# Altium PCB qinxie.PcbDoc
Units mm, origin at the board's own origin, x right, y up, seen from the top; angles counter-clockwise.
Board outline 15 x 11 mm, 2 copper layers (Top Layer, Bottom Layer); 2 components, 2 nets, 6 pads, 37 vias.
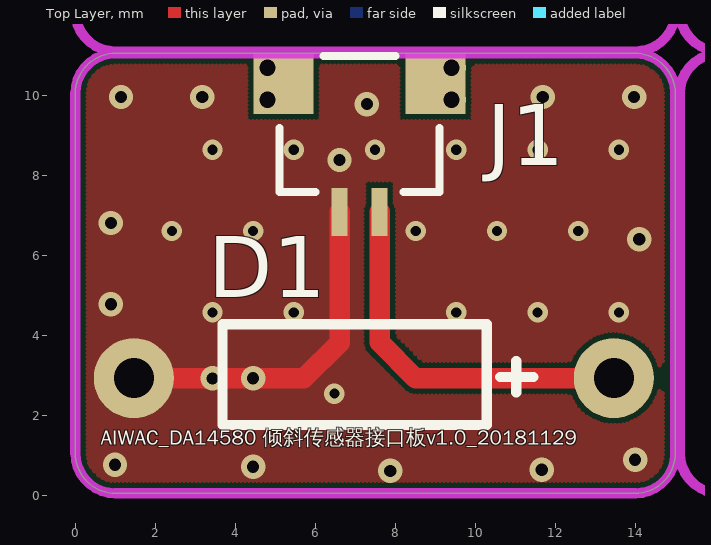
[diagram p0: Top Layer view]
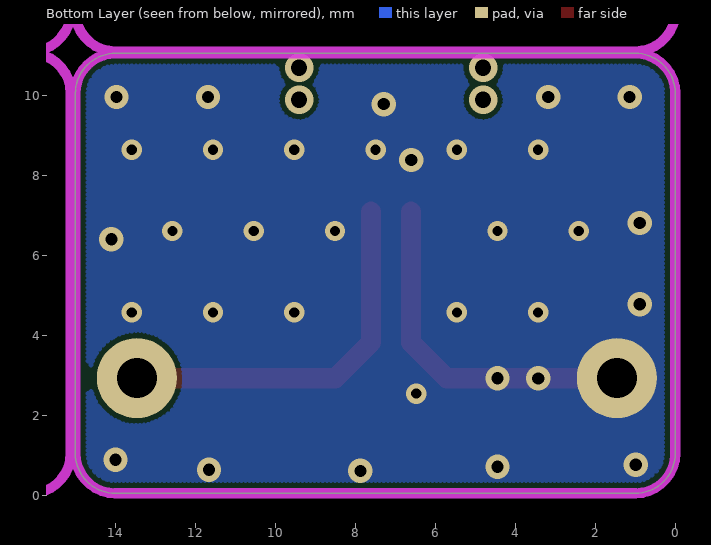
[diagram p1: Bottom Layer view, seen from below]

## Layer stack, top to bottom
Top Solder: solder mask 0.0102, Solder Resist, Dk 3.5
Top Layer: signal copper 0.0356
Dielectric 1: dielectric 0.32, FR-4, Dk 4.8
Bottom Layer: signal copper 0.0356
Bottom Solder: solder mask 0.0102, Solder Resist, Dk 3.5

## Board outline
1,0.048 cw(c1,1.048) 0,1.048 0,10.048 cw(c1,10.048) 1,11.048 13.984,11.048 cw(c13.992,10.04) 15,10.048 15,1.048 cw(c14,1.048) 14,0.048

## Design rules (kind name [scope] priority, off if disabled: settings)
Clearance [All] p1: gap=0.127
PolygonConnect [All] p1: connectstyle=Direct reliefconductorwidth=0.254 reliefentries=4 polygonreliefangle="90 Angle" airgapwidth=0.254
RoutingVias [All] p1: holewidth=0.711 width=1.27 viastyle="Through Hole" minholewidth=0.711 minwidth=1.27 maxholewidth=0.711 maxwidth=1.27
SolderMaskExpansion [All] p1: expansion=0.102
Width [All] p1: maxlimit=0.508 minlimit=0.305 preferedwidth=0.305
30 further rules are at their usual default settings.

## Components (designator, comment, footprint, x,y, rotation, side; value= is the part's Value field where it differs from the comment)
D1 "倾斜传感器" 倾斜传感器 13.462,2.927 r180 top locked
J1 "CON2" J-SH1.0-T-1-LT-2A 6.607,7.087 r0 top locked

## Footprints (in the part's own frame and the unit in brackets; to place one, negate y for a bottom-side part, rotate by r counter-clockwise, add the part's x,y. Pads: shape width x height; smd on the part's side, far side on the other; paste and mask are expansions set on the pad)
J-SH1.0-T-1-LT-2A [mm]
  rect 0.4x1.2 smd: 1(0,0) 2(1,0)
  rect 1.5x1.5 smd: 3(-1.4,3.2) 3(2.4,3.2)
  silkscreen extent -1.5,0.5 2.5,3.9
倾斜传感器 [mm]
  round 2 hole 1: 1(0,0) 2(12,0)
  silkscreen extent 2.01,-1.35 9.78,1.17

## Part data
D1: library part R
J1: "Connector"

## Via types
v1: diameter 0.508, hole 0.254, Top Layer to Bottom Layer, tented both sides, 17 vias
v2: diameter 0.61, hole 0.305, Top Layer to Bottom Layer, tented both sides, 16 vias
v3: diameter 0.711, hole 0.406, Top Layer to Bottom Layer, tented both sides, 4 vias

## Nets (pads, with @x,y where several pads share a name; then routed paths per layer and width w, separated by ;. In a path a pad name is that pad's centre, name@x,y a point inside that pad or via, vN(x,y) a via of type N, cw(c..) or ccw(c..) an arc to the next point about the centre after c; other vN are vias at no path point)
GND: D1.2 J1.1 | length 9.8
  Top Layer w0.508: D1.2 v2(4.445,2.927) v2@4.439,2.921 ; v2(3.429,2.921) v2@4.439,2.921 ; J1.1 6.607,3.813 5.715,2.921 v2@4.439,2.921
  other v1: 6.477,2.54 3.429,4.572 5.461,4.572 9.525,4.572 11.557,4.572 13.589,4.572 2.413,6.604 4.445,6.604 8.509,6.604 10.541,6.604 12.573,6.604 3.429,8.636 5.461,8.636 7.493,8.636 9.525,8.636 11.557,8.636 13.589,8.636
  other v2: 7.874,0.61 11.659,0.635 4.445,0.711 0.991,0.762 13.995,0.889 0.889,4.775 14.097,6.401 0.889,6.807 6.604,8.382 7.29,9.779 1.143,9.957 3.175,9.957 11.684,9.957 13.97,9.957
NetD1_1: D1.1 J1.2 | length 9.5
  Top Layer w0.508: J1.2 7.607,3.823 8.503,2.927 D1.1
pads on no net: J1.3
copper on no net:
  other v3: 4.807,9.887 9.407,9.887 4.807,10.687 9.407,10.687

## Polygon pours and split planes (outlines as drawn)
GND on Top Layer "AutoNaming" (hatched 90Degree grid 0.102 track 0.127, remove dead copper, pour order 4): 1,11.048 13.984,11.048 14.225,11.048 14.986,10.287 15,10.273 15,1.048 15,0.776 14.224,0 14.176,0.048 1,0.048 0.714,0.048 0,0.762 0,10.287 0,10.541 0.381,10.922 0.507,11.048 1,11.048
GND on Bottom Layer "AutoNaming" (hatched 90Degree grid 0.102 track 0.127, remove dead copper, pour order 6): 1,11.048 13.984,11.048 14.225,11.048 14.986,10.287 15,10.273 15,1.143 15,0.776 14.351,0.127 14.224,0 0.762,0 0.635,0 0,0.635 0,10.287 0,10.414 0.508,10.922 0.634,11.048 1,11.048

## Keep-outs
Keep-Out Layer:
  lines w0.254: -0.127,-2.159 -0.127,-1.651 ; 1.397,-2.413 -0.127,-1.905 ; 1.397,-1.397 -0.127,-1.905 ; 37.04,-1.905 -0.127,-1.905 ; 52.833,-1.905 90,-1.905 ; 88.476,-2.413 90,-1.905 ; 88.476,-1.397 90,-1.905 ; 90,-2.159 90,-1.651 ; 91.561,86.947 92.068,88.472 ; 91.576,1.652 92.084,0.129 ; 91.814,88.472 92.322,88.472 ; 91.83,0.129 92.338,0.129 ; 92.075,52.324 92.068,88.472 ; 92.078,36.276 92.084,0.129 ; 92.577,86.948 92.068,88.472 ; 92.592,1.653 92.084,0.129 ; 0,1.048 ccw(c1,1.048) 1,0.048 14,0.048 ccw(c14,1.048) 15,1.048 15,10.048 ccw(c13.992,10.04) 13.984,11.048 1,11.048 ccw(c1,10.048) 0,10.048 0,1.048 ; 0,12.097 ccw(c1,12.097) 1,11.097 14,11.097 ccw(c14,12.097) 15,12.097 15,21.097 ccw(c13.992,21.089) 13.984,22.097 1,22.097 ccw(c1,21.097) 0,21.097 0,12.097 ; 0,23.146 ccw(c1,23.146) 1,22.146 14,22.146 ccw(c14,23.146) 15,23.146 15,32.146 ccw(c13.992,32.138) 13.984,33.146 1,33.146 ccw(c1,32.146) 0,32.146 0,23.146 ; 0,34.195 ccw(c1,34.195) 1,33.195 14,33.195 ccw(c14,34.195) 15,34.195 15,43.195 ccw(c13.992,43.187) 13.984,44.195 1,44.195 ccw(c1,43.195) 0,43.195 0,34.195 ; 0,45.244 ccw(c1,45.244) 1,44.244 14,44.244 ccw(c14,45.244) 15,45.244 15,54.244 ccw(c13.992,54.236) 13.984,55.244 1,55.244 ccw(c1,54.244) 0,54.244 0,45.244 ; 0,56.293 ccw(c1,56.293) 1,55.293 14,55.293 ccw(c14,56.293) 15,56.293 15,65.293 ccw(c13.992,65.285) 13.984,66.293 1,66.293 ccw(c1,65.293) 0,65.293 0,56.293 ; 0,67.342 ccw(c1,67.342) 1,66.342 14,66.342 ccw(c14,67.342) 15,67.342 15,76.342 ccw(c13.992,76.334) 13.984,77.342 1,77.342 ccw(c1,76.342) 0,76.342 0,67.342 ; 0,78.391 ccw(c1,78.391) 1,77.391 14,77.391 ccw(c14,78.391) 15,78.391 15,87.391 ccw(c13.992,87.383) 13.984,88.391 1,88.391 ccw(c1,87.391) 0,87.391 0,78.391 ; 15.113,1.048 ccw(c16.113,1.048) 16.113,0.048 29.113,0.048 ccw(c29.113,1.048) 30.113,1.048 30.113,10.048 ccw(c29.105,10.04) 29.097,11.048 16.113,11.048 ccw(c16.113,10.048) 15.113,10.048 15.113,1.048 ; 15.113,12.097 ccw(c16.113,12.097) 16.113,11.097 29.113,11.097 ccw(c29.113,12.097) 30.113,12.097 30.113,21.097 ccw(c29.105,21.089) 29.097,22.097 16.113,22.097 ccw(c16.113,21.097) 15.113,21.097 15.113,12.097 ; 15.113,23.146 ccw(c16.113,23.146) 16.113,22.146 29.113,22.146 ccw(c29.113,23.146) 30.113,23.146 30.113,32.146 ccw(c29.105,32.138) 29.097,33.146 16.113,33.146 ccw(c16.113,32.146) 15.113,32.146 15.113,23.146 ; 15.113,34.195 ccw(c16.113,34.195) 16.113,33.195 29.113,33.195 ccw(c29.113,34.195) 30.113,34.195 30.113,43.195 ccw(c29.105,43.187) 29.097,44.195 16.113,44.195 ccw(c16.113,43.195) 15.113,43.195 15.113,34.195 ; 15.113,45.244 ccw(c16.113,45.244) 16.113,44.244 29.113,44.244 ccw(c29.113,45.244) 30.113,45.244 30.113,54.244 ccw(c29.105,54.236) 29.097,55.244 16.113,55.244 ccw(c16.113,54.244) 15.113,54.244 15.113,45.244 ; 15.113,56.293 ccw(c16.113,56.293) 16.113,55.293 29.113,55.293 ccw(c29.113,56.293) 30.113,56.293 30.113,65.293 ccw(c29.105,65.285) 29.097,66.293 16.113,66.293 ccw(c16.113,65.293) 15.113,65.293 15.113,56.293 ; 15.113,67.342 ccw(c16.113,67.342) 16.113,66.342 29.113,66.342 ccw(c29.113,67.342) 30.113,67.342 30.113,76.342 ccw(c29.105,76.334) 29.097,77.342 16.113,77.342 ccw(c16.113,76.342) 15.113,76.342 15.113,67.342 ; 15.113,78.391 ccw(c16.113,78.391) 16.113,77.391 29.113,77.391 ccw(c29.113,78.391) 30.113,78.391 30.113,87.391 ccw(c29.105,87.383) 29.097,88.391 16.113,88.391 ccw(c16.113,87.391) 15.113,87.391 15.113,78.391 ; 30.226,1.048 ccw(c31.226,1.048) 31.226,0.048 44.226,0.048 ccw(c44.226,1.048) 45.226,1.048 45.226,10.048 ccw(c44.218,10.04) 44.21,11.048 31.226,11.048 ccw(c31.226,10.048) 30.226,10.048 30.226,1.048 ; 30.226,12.097 ccw(c31.226,12.097) 31.226,11.097 44.226,11.097 ccw(c44.226,12.097) 45.226,12.097 45.226,21.097 ccw(c44.218,21.089) 44.21,22.097 31.226,22.097 ccw(c31.226,21.097) 30.226,21.097 30.226,12.097 ; 30.226,23.146 ccw(c31.226,23.146) 31.226,22.146 44.226,22.146 ccw(c44.226,23.146) 45.226,23.146 45.226,32.146 ccw(c44.218,32.138) 44.21,33.146 31.226,33.146 ccw(c31.226,32.146) 30.226,32.146 30.226,23.146 ; 30.226,34.195 ccw(c31.226,34.195) 31.226,33.195 44.226,33.195 ccw(c44.226,34.195) 45.226,34.195 45.226,43.195 ccw(c44.218,43.187) 44.21,44.195 31.226,44.195 ccw(c31.226,43.195) 30.226,43.195 30.226,34.195 ; 30.226,45.244 ccw(c31.226,45.244) 31.226,44.244 44.226,44.244 ccw(c44.226,45.244) 45.226,45.244 45.226,54.244 ccw(c44.218,54.236) 44.21,55.244 31.226,55.244 ccw(c31.226,54.244) 30.226,54.244 30.226,45.244 ; 30.226,56.293 ccw(c31.226,56.293) 31.226,55.293 44.226,55.293 ccw(c44.226,56.293) 45.226,56.293 45.226,65.293 ccw(c44.218,65.285) 44.21,66.293 31.226,66.293 ccw(c31.226,65.293) 30.226,65.293 30.226,56.293 ; 30.226,67.342 ccw(c31.226,67.342) 31.226,66.342 44.226,66.342 ccw(c44.226,67.342) 45.226,67.342 45.226,76.342 ccw(c44.218,76.334) 44.21,77.342 31.226,77.342 ccw(c31.226,76.342) 30.226,76.342 30.226,67.342 ; 30.226,78.391 ccw(c31.226,78.391) 31.226,77.391 44.226,77.391 ccw(c44.226,78.391) 45.226,78.391 45.226,87.391 ccw(c44.218,87.383) 44.21,88.391 31.226,88.391 ccw(c31.226,87.391) 30.226,87.391 30.226,78.391 ; 45.212,1.175 ccw(c46.212,1.175) 46.212,0.175 59.212,0.175 ccw(c59.212,1.175) 60.212,1.175 60.212,10.175 ccw(c59.204,10.167) 59.196,11.175 46.212,11.175 ccw(c46.212,10.175) 45.212,10.175 45.212,1.175 ; 45.212,12.224 ccw(c46.212,12.224) 46.212,11.224 59.212,11.224 ccw(c59.212,12.224) 60.212,12.224 60.212,21.224 ccw(c59.204,21.216) 59.196,22.224 46.212,22.224 ccw(c46.212,21.224) 45.212,21.224 45.212,12.224 ; 45.212,23.273 ccw(c46.212,23.273) 46.212,22.273 59.212,22.273 ccw(c59.212,23.273) 60.212,23.273 60.212,32.273 ccw(c59.204,32.265) 59.196,33.273 46.212,33.273 ccw(c46.212,32.273) 45.212,32.273 45.212,23.273 ; 45.212,34.322 ccw(c46.212,34.322) 46.212,33.322 59.212,33.322 ccw(c59.212,34.322) 60.212,34.322 60.212,43.322 ccw(c59.204,43.314) 59.196,44.322 46.212,44.322 ccw(c46.212,43.322) 45.212,43.322 45.212,34.322 ; 45.212,45.371 ccw(c46.212,45.371) 46.212,44.371 59.212,44.371 ccw(c59.212,45.371) 60.212,45.371 60.212,54.371 ccw(c59.204,54.363) 59.196,55.371 46.212,55.371 ccw(c46.212,54.371) 45.212,54.371 45.212,45.371 ; 45.212,56.42 ccw(c46.212,56.42) 46.212,55.42 59.212,55.42 ccw(c59.212,56.42) 60.212,56.42 60.212,65.42 ccw(c59.204,65.412) 59.196,66.42 46.212,66.42 ccw(c46.212,65.42) 45.212,65.42 45.212,56.42 ; 45.212,67.469 ccw(c46.212,67.469) 46.212,66.469 59.212,66.469 ccw(c59.212,67.469) 60.212,67.469 60.212,76.469 ccw(c59.204,76.461) 59.196,77.469 46.212,77.469 ccw(c46.212,76.469) 45.212,76.469 45.212,67.469 ; 45.212,78.518 ccw(c46.212,78.518) 46.212,77.518 59.212,77.518 ccw(c59.212,78.518) 60.212,78.518 60.212,87.518 ccw(c59.204,87.51) 59.196,88.518 46.212,88.518 ccw(c46.212,87.518) 45.212,87.518 45.212,78.518 ; 60.325,1.175 ccw(c61.325,1.175) 61.325,0.175 74.325,0.175 ccw(c74.325,1.175) 75.325,1.175 75.325,10.175 ccw(c74.317,10.167) 74.309,11.175 61.325,11.175 ccw(c61.325,10.175) 60.325,10.175 60.325,1.175 ; 60.325,12.224 ccw(c61.325,12.224) 61.325,11.224 74.325,11.224 ccw(c74.325,12.224) 75.325,12.224 75.325,21.224 ccw(c74.317,21.216) 74.309,22.224 61.325,22.224 ccw(c61.325,21.224) 60.325,21.224 60.325,12.224 ; 60.325,23.273 ccw(c61.325,23.273) 61.325,22.273 74.325,22.273 ccw(c74.325,23.273) 75.325,23.273 75.325,32.273 ccw(c74.317,32.265) 74.309,33.273 61.325,33.273 ccw(c61.325,32.273) 60.325,32.273 60.325,23.273 ; 60.325,34.322 ccw(c61.325,34.322) 61.325,33.322 74.325,33.322 ccw(c74.325,34.322) 75.325,34.322 75.325,43.322 ccw(c74.317,43.314) 74.309,44.322 61.325,44.322 ccw(c61.325,43.322) 60.325,43.322 60.325,34.322 ; 60.325,45.371 ccw(c61.325,45.371) 61.325,44.371 74.325,44.371 ccw(c74.325,45.371) 75.325,45.371 75.325,54.371 ccw(c74.317,54.363) 74.309,55.371 61.325,55.371 ccw(c61.325,54.371) 60.325,54.371 60.325,45.371 ; 60.325,56.42 ccw(c61.325,56.42) 61.325,55.42 74.325,55.42 ccw(c74.325,56.42) 75.325,56.42 75.325,65.42 ccw(c74.317,65.412) 74.309,66.42 61.325,66.42 ccw(c61.325,65.42) 60.325,65.42 60.325,56.42 ; 60.325,67.469 ccw(c61.325,67.469) 61.325,66.469 74.325,66.469 ccw(c74.325,67.469) 75.325,67.469 75.325,76.469 ccw(c74.317,76.461) 74.309,77.469 61.325,77.469 ccw(c61.325,76.469) 60.325,76.469 60.325,67.469 ; 60.325,78.518 ccw(c61.325,78.518) 61.325,77.518 74.325,77.518 ccw(c74.325,78.518) 75.325,78.518 75.325,87.518 ccw(c74.317,87.51) 74.309,88.518 61.325,88.518 ccw(c61.325,87.518) 60.325,87.518 60.325,78.518 ; 75.438,1.175 ccw(c76.438,1.175) 76.438,0.175 89.438,0.175 ccw(c89.438,1.175) 90.438,1.175 90.438,10.175 ccw(c89.43,10.167) 89.422,11.175 76.438,11.175 ccw(c76.438,10.175) 75.438,10.175 75.438,1.175 ; 75.438,12.224 ccw(c76.438,12.224) 76.438,11.224 89.438,11.224 ccw(c89.438,12.224) 90.438,12.224 90.438,21.224 ccw(c89.43,21.216) 89.422,22.224 76.438,22.224 ccw(c76.438,21.224) 75.438,21.224 75.438,12.224 ; 75.438,23.273 ccw(c76.438,23.273) 76.438,22.273 89.438,22.273 ccw(c89.438,23.273) 90.438,23.273 90.438,32.273 ccw(c89.43,32.265) 89.422,33.273 76.438,33.273 ccw(c76.438,32.273) 75.438,32.273 75.438,23.273 ; 75.438,34.322 ccw(c76.438,34.322) 76.438,33.322 89.438,33.322 ccw(c89.438,34.322) 90.438,34.322 90.438,43.322 ccw(c89.43,43.314) 89.422,44.322 76.438,44.322 ccw(c76.438,43.322) 75.438,43.322 75.438,34.322 ; 75.438,45.371 ccw(c76.438,45.371) 76.438,44.371 89.438,44.371 ccw(c89.438,45.371) 90.438,45.371 90.438,54.371 ccw(c89.43,54.363) 89.422,55.371 76.438,55.371 ccw(c76.438,54.371) 75.438,54.371 75.438,45.371 ; 75.438,56.42 ccw(c76.438,56.42) 76.438,55.42 89.438,55.42 ccw(c89.438,56.42) 90.438,56.42 90.438,65.42 ccw(c89.43,65.412) 89.422,66.42 76.438,66.42 ccw(c76.438,65.42) 75.438,65.42 75.438,56.42 ; 75.438,67.469 ccw(c76.438,67.469) 76.438,66.469 89.438,66.469 ccw(c89.438,67.469) 90.438,67.469 90.438,76.469 ccw(c89.43,76.461) 89.422,77.469 76.438,77.469 ccw(c76.438,76.469) 75.438,76.469 75.438,67.469 ; 75.438,78.518 ccw(c76.438,78.518) 76.438,77.518 89.438,77.518 ccw(c89.438,78.518) 90.438,78.518 90.438,87.518 ccw(c89.43,87.51) 89.422,88.518 76.438,88.518 ccw(c76.438,87.518) 75.438,87.518 75.438,78.518
  text "88.343 (mm)" at 91.161,52.07 h1.52 r270.01
  text "90.127 (mm)" at 37.294,-2.819 h1.52

## Silkscreen, mask and mechanical layers (free items; w line width, h text height)
Top Overlay:
  text "AIWAC_DA14580 倾斜传感器接口板v1.0_20181129" at 0.635,1.143 h0.64